# KiCad board 4in1-panel.kicad_pcb (continued)
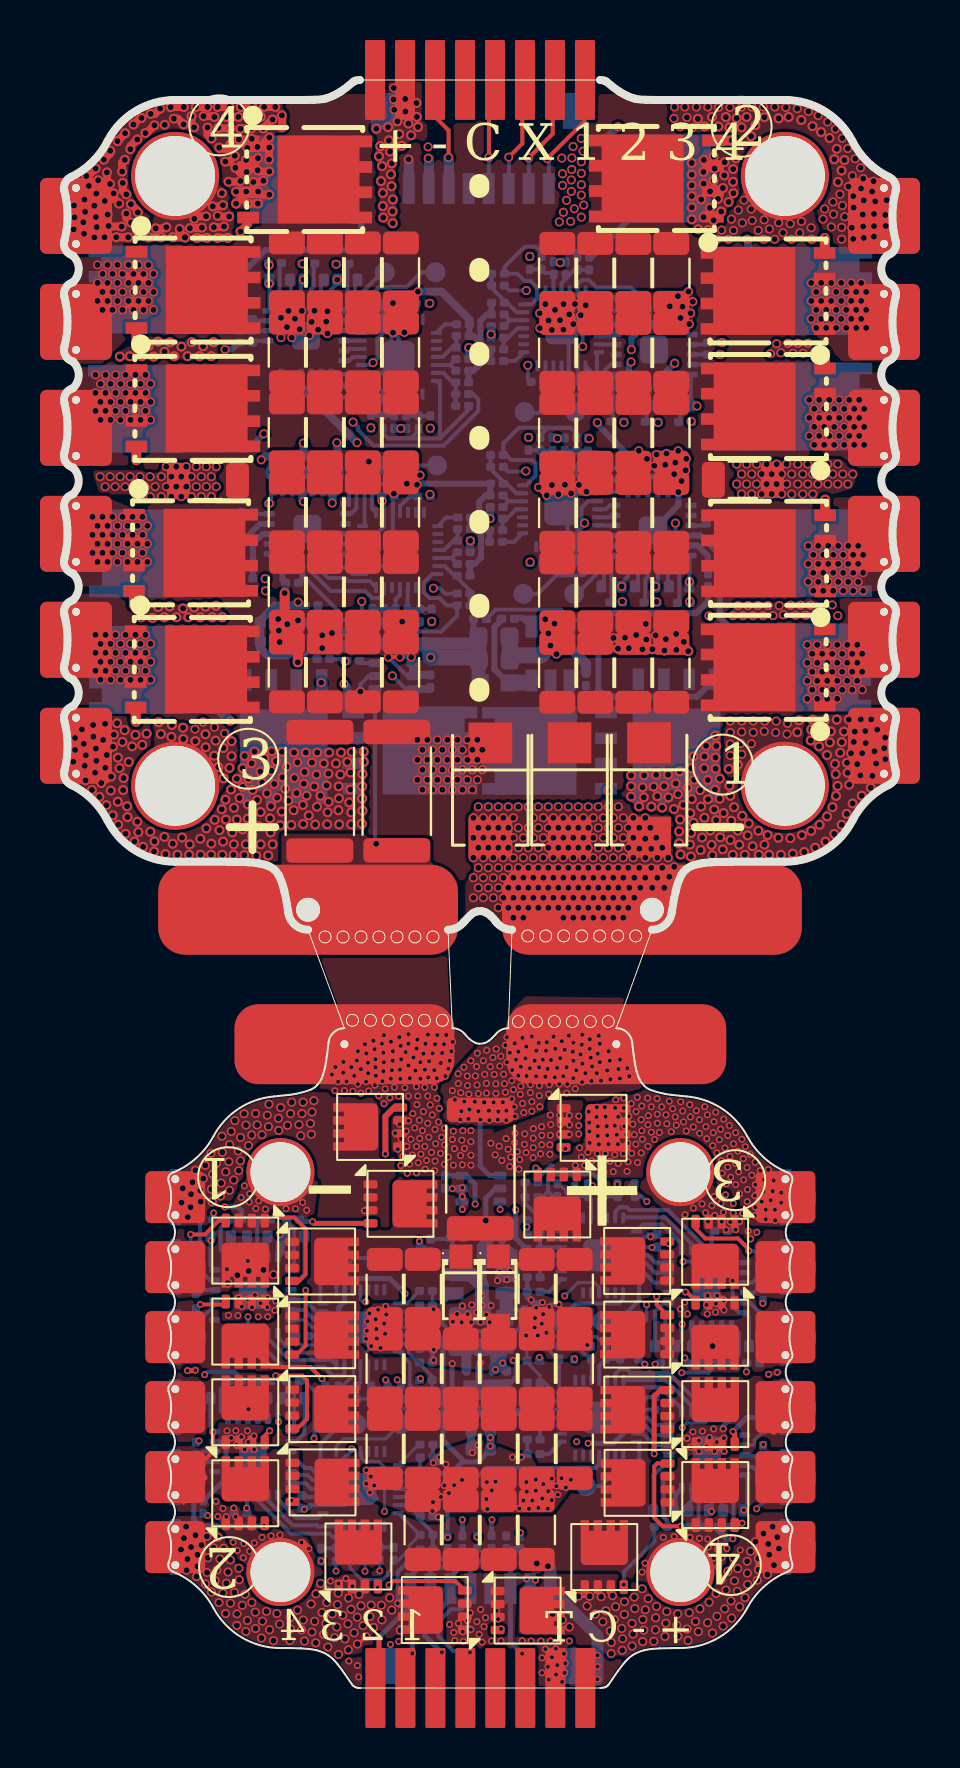
[diagram p0: board, top side]
## Placement (name value [footprint] x y rotation side) (continued)
U2#2  AT32F421G8U7  [QFN-28_L4.0-W4.0-P0.40-TL-EP2.4#2]  24.81 58.96 0 bottom
U3  ~  [4in1ESC30x30]  20.36 60.52 0 top
U3#2  NSG2065Q  [QFN-24_L4.0-W4.0-P0.50-TL-EP2.8#5]  9.43 19.66 90 bottom
U4  ~  [4in1ESC]  20.81 15.8 180 top
U4#2  NSG2065Q  [QFN-24_L4.0-W4.0-P0.50-TL-EP2.8#2]  29.44 57.89 270 bottom
U5  AT32F421G8U7  [QFN-28_L4.0-W4.0-P0.40-TL-EP2.4#2]  24.87 68.01 0 bottom
U5#2  FTC160808S4R7MBCA  [IND-SMD_L1.6-W0.8_FTC160865SR47MBCA]  22.04 17.82 90 bottom
U6  NSG2065Q  [QFN-24_L4.0-W4.0-P0.50-TL-EP2.8#3]  29.5 66.94 270 bottom
U6#2  AT32F421G8U7  [QFN-28_L4.0-W4.0-P0.40-TL-EP2.4#5]  14.81 9.95 180 bottom
U7  NSG2065Q  [QFN-24_L4.0-W4.0-P0.50-TL-EP2.8]  9.43 11.57 90 bottom
U7#2  AT32F421G8U7  [QFN-28_L4.0-W4.0-P0.40-TL-EP2.4#2]  16.79 56.92 180 bottom
U8  NSG2065Q  [QFN-24_L4.0-W4.0-P0.50-TL-EP2.8#2]  12.16 57.98 90 bottom
U8#2  AT32F421G8U7  [QFN-28_L4.0-W4.0-P0.40-TL-EP2.4#3]  26.75 21.64 0 bottom
U9  NSG2065Q  [QFN-24_L4.0-W4.0-P0.50-TL-EP2.8#2]  32.13 20.02 270 bottom
U9#2  AT32F421G8U7  [QFN-28_L4.0-W4.0-P0.40-TL-EP2.4#5]  16.72 66.57 180 bottom
U10  NSG2065Q  [QFN-24_L4.0-W4.0-P0.50-TL-EP2.8#4]  12.09 67.63 90 bottom
U10#2  AT32F421G8U7  [QFN-28_L4.0-W4.0-P0.40-TL-EP2.4#4]  26.76 13.52 0 bottom
U11  NSG2065Q  [QFN-24_L4.0-W4.0-P0.50-TL-EP2.8]  32.13 11.9 270 bottom
U12  INA186A3IDCKR  [SOT-363_SC-70-6]  16.49 50.6 180 bottom
U12#2  INA186A3IDCKR  [SOT-363_SC-70-6]  20.84 24.98 0 bottom
U13  LMR54406DBVR  [SOT-23-6_L2.9-W1.6-P0.95-LS2.8-BR]  24.32 51.74 90 bottom
U13#2  LMR54406DBVR  [SOT-23-6_L2.9-W1.6-P0.95-LS2.8-BR]  20.77 20.69 180 bottom
U14  FTC160808S4R7MBCA  [IND-SMD_L1.6-W0.8_FTC160865SR47MBCA]  21.53 50.27 0 bottom
U15  TLV76733DRVR  [WSON-6_L2.0-W2.0-P0.65-TL-EP]  12.66 52.76 0 bottom

## Library data of the parts
C1 C42 = -: Datasheet: X5R 6.3V; Description: Unpolarized capacitor; KiLib_Generator: C105226; LCSC: C105226; ki_fp_filters: C_*
C2 C3 C6 C6#2 C6#3 C7-C9 C13-C20 C24-C31 C43-C45 C69-C72 C79 C80 C82-C85 C87 C88 C95-C101 C105-C108 = -: Datasheet: X5R 50V; Description: Unpolarized capacitor; KiLib_Generator: SMD_2terminal_chip_molded; LCSC: C380366; ki_fp_filters: C_*
C4 C51 = -: Datasheet: X5R 6.3V; Description: Unpolarized capacitor; KiLib_Generator: SMD_2terminal_chip_molded; LCSC: C105226; ki_fp_filters: C_*
C32 C32#2 C33 C33#2 C34 C34#2 C35 C35#2 C36 C36#2 C37 C37#2 C38 C38#2 C39 C39#2 C53 C53#2 C56 C59 C62 C67 C73 C83#2 = -: Datasheet: https://item.szlcsc.com/360022.html; KiLib_Generator: SMD_2terminal_chip_molded; LCSC: C307331
C43#2 C86#2 = -: Datasheet: X5R 16v; Description: Unpolarized capacitor; KiLib_Generator: C2762594; LCSC: C2762594; ki_fp_filters: C_*
C44#2 C45#2 C46 C48 C48#2 C49 C49#2 C50 C50#2 C52 C54 C55 C57 C57#2 C58 C59#2 C60 C61 C63 C63#2 C64 C64#2 C65 C65#2 C66 C66#2 C68 C69#2 C70#2 C71#2 C72#2 C74-C78 C79#2 C80#2 C81 C88#2 C93 C93#2 C94 C94#2 = -: Datasheet: https://item.szlcsc.com/360022.html; KiLib_Generator: SMD_2terminal_chip_molded; LCSC: C181043
C47 C86 = -: Datasheet: X5R 16v; Description: Unpolarized capacitor; KiLib_Generator: SMD_2terminal_chip_molded; LCSC: C2762594; ki_fp_filters: C_*
CL32-CL36 CL38-CL40 CL42-CL51 CL54 CL55 = -: Datasheet: X7R 50V; Description: Unpolarized capacitor; KiLib_Generator: SMD_2terminal_chip_molded; LCSC: C380366; ki_fp_filters: C_*
D1 D2 = -: Datasheet: https://www.lcsc.com/datasheet/C1977154.pdf; LCSC Part: C1977154; Manufacturer: Littelfuse(美国力特)
D1#2 D2#2 D3 = -: LCSC Part: C19077578
J1 J1#2 = -: Datasheet: https://www.jst-mfg.com/product/pdf/eng/eSR.pdf; Description: JST SH series 8-pin 1.0mm pitch SMD connector, Betaflight standard; LCSC: C160407
Q1-Q6 Q7#2 Q8 Q9#2 Q10-Q12 Q13#2 Q14-Q16 Q17#2 Q18 Q19 Q20#2 Q21-Q24 = -: Description: -55℃~+150℃ 1.5V@250uA 1.675nF 2.9mΩ@10V 26nC@20V 31pF 395pF 40V 55W 75A N-Channel PDFN-8L(3x3) MOSFETs ROHS; LCSC: C49441966
Q1#2 Q2#2 Q3#2 Q4#2 Q5#2 Q6#2 Q7 Q8#2 Q9 Q10#2 Q11#2 Q12#2 Q13 Q14#2 Q15#2 Q16#2 Q17 Q18#2 Q19#2 Q20 Q21#2 Q22#2 Q23#2 Q24#2 = -: Description: -55℃~+150℃ 1.5V@250uA 1.675nF 2.9mΩ@10V 26nC@20V 31pF 395pF 40V 55W 75A N-Channel PDFN-8L(3x3) MOSFETs ROHS; LCSC: SP40N01GHNK
R1 R2 R6-R9 R16 R17 R21#2 R22 R23 R23#2 R24 R24#2 R37 R37#2 R38 R38#2 R42 R42#2 R43 R43#2 R44 R44#2 R45 R45#2 R55 R55#2 R56 R56#2 R60 R60#2 R61 R61#2 R62 R62#2 R63 R63#2 R74#2 R75-R83 = -: Description: SMD 0402 Chip Resistor, European Symbol, Alternate KiCad Library; KiLib_Generator: SMD_2terminal_chip_molded; LCSC: C473542; ki_fp_filters: R_*
R3 R4 R10 R10#2 R12 R12#2 R13 R13#2 R15 R15#2 R18 R18#2 R19 R19#2 R21 R22#2 R25 R25#2 R27 R27#2 R28 R28#2 R30 R30#2 R31 R31#2 R33 R33#2 R34 R34#2 R36 R36#2 R39#2 R40 R40#2 R41 R46 R46#2 R48 R48#2 R49 R49#2 R51 R51#2 R52 R52#2 R54 R54#2 R57 R58 R58#2 R59 R64 R64#2 R66 R66#2 R67 R67#2 R69 R69#2 R70 R70#2 R72 R72#2 = -: Datasheet: https://item.szlcsc.com/239136.html; KiLib_Generator: SMD_2terminal_chip_molded; LCSC: C106225
R5 R20#2 R41#2 R59#2 = -: Datasheet: https://item.szlcsc.com/239136.html; KiLib_Generator: C226468; LCSC: C226468
R11 R11#2 R14 R14#2 R26 R26#2 R29 R29#2 R32 R32#2 R35 R35#2 R47 R47#2 R50 R50#2 R53 R53#2 R65 R65#2 R68 R68#2 R71 R71#2 R73#2 = -: Datasheet: https://item.szlcsc.com/239136.html; KiLib_Generator: SMD_2terminal_chip_molded; LCSC: C270365
R20 R39 R57#2 R87 = -: Datasheet: https://item.szlcsc.com/239136.html; KiLib_Generator: SMD_2terminal_chip_molded; LCSC: C226468
R73 = -: Datasheet: https://item.szlcsc.com/239136.html; LCSC: C270365
R74 R75#2 R76#2 R77#2 R84-R86 R88 = -: Description: Resistor; KiLib_Generator: SMD_2terminal_chip_molded; LCSC: C106226; ki_fp_filters: R_*
R118 R121 = -: Description: Resistor; LCSC: C106225; ki_fp_filters: R_*
R119 R120 = -: Description: Resistor; KiLib_Generator: SMD_2terminal_chip_molded; LCSC: C166378; ki_fp_filters: R_*
Rsense1 Rsense1#2 Rsense2 = -: Description: shunt; KiLib_Generator: SMD_2terminal_chip_molded; LCSC: C695806; ki_fp_filters: R_*
TP1 TP1#2 TP2 TP2#2 TP3 TP3#2 TP4 TP4#2 TP5 TP5#2 TP6 TP6#2 TP7 TP7#2 TP8 TP8#2 = -: Description: test point; ki_fp_filters: Pin* Test*
U1 U15 = -: LCSC: C2848334
U2 U2#2 U5 U6#2 U7#2 U8#2 U9#2 U10#2 = -: Datasheet: https://item.szlcsc.com/2794672.html; LCSC: C2765098
U3#2 U4#2 U6-U11 = -: Datasheet: https://atta.szlcsc.com/upload/public/pdf/source/20230606/9108084F8D3399931DD16D047B315AD0.pdf; LCSC: C41414478
U5#2 U14 = -: Datasheet: https://atta.szlcsc.com/upload/public/pdf/source/20230602/8FFEDA9C0247A92A0D4B67554BFE4091.pdf; Description: 4.7uH; LCSC: C46594347
U12 U12#2 = -: Datasheet: https://www.ti.com/lit/ds/symlink/ina186.pdf; Description: INA186 36V, Low-Power, Precision, Voltage-Output Current Sense Amplifier, 100V/V gain; LCSC: C2058245
U13 U13#2 = -: Datasheet: https://www.lcsc.com/datasheet/C5219316.pdf; LCSC Part: C5219316; Manufacturer: TI(德州仪器)

## Footprints (pads in the part's own frame, mm; a bottom-side part is the same pattern mirrored in y, then rotated)
4in1ESC
  rrect 11x4 hole 0.4: 1(-6.8,-16.4) 2(6.8,-16.4)
  rrect 1x4 smd: 3(-5.25,15.8) 4(-3.75,15.8) 5(-2.25,15.8) 6(-0.75,15.8) 7(0.75,15.8) 8(2.25,15.8) 9(3.75,15.8) 10(5.25,15.8)
  round 3.4 hole 3: 11(-10,10) 11(-10,-10) 11(10,10) 11(10,-10)
  rrect 3x1.8 hole 0.4: 12(-15.261,7.85) 12(-15.261,9.65) 13(-15.261,6.15) 13(-15.261,4.35) 14(-15.261,0.85) 14(-15.261,2.65) 15(-15.261,-0.85) 15(-15.261,-2.65) 16(-15.261,-6.15) 16(-15.261,-4.35) 17(-15.261,-9.65) 17(-15.261,-7.85) 18(15.261,9.65) 18(15.261,7.85) 19(15.261,6.15) 19(15.261,4.35) 20(15.261,2.65) 20(15.261,0.85) 21(15.261,-0.85) 21(15.261,-2.65) 22(15.261,-4.35) 22(15.261,-6.15) 23(15.261,-7.85) 23(15.261,-9.65)
4in1ESC30x30
  rrect 15x4.5 hole 1.2: 1(-8.167,-21.6) 2(9.033,-21.6)
  rrect 1x4 smd: 3(-4.817,19.9) 4(-3.317,19.9) 5(-1.817,19.9) 6(-0.317,19.9) 7(1.183,19.9) 8(2.683,19.9) 9(4.183,19.9) 10(5.683,19.9)
  round 4.4 hole 4: 11(-14.817,15.1) 11(-14.817,-15.4) 11(15.683,15.1) 11(15.683,-15.4)
  rrect 3.6x2.2 hole 0.4: 12(-19.778,11.7) 12(-19.778,14.5) 13(-19.778,9.2) 13(-19.778,6.4) 14(-19.778,3.9) 14(-19.778,1.1) 15(-19.778,-1.4) 15(-19.778,-4.2) 16(-19.778,-6.7) 16(-19.778,-9.5) 17(-19.778,-12) 17(-19.778,-14.8) 18(20.643,14.5) 18(20.643,11.7) 19(20.643,9.2) 19(20.643,6.4) 20(20.643,3.9) 20(20.643,1.1) 21(20.643,-1.4) 21(20.643,-4.2) 22(20.643,-6.7) 22(20.643,-9.5) 23(20.643,-12) 23(20.643,-14.8)
C_0201_0603Metric
  rrect 0.318x0.36 smd: (-0.345,0) (0.345,0)
  rrect 0.46x0.4 smd: 1(-0.32,0) 2(0.32,0)
C_0402_1005Metric
  rrect 0.56x0.62 smd: 1(-0.48,0) 2(0.48,0)
C_0402_WIDE
  rrect 0.5x0.62 smd: 1(-0.51,0) 2(0.51,0)
C_0603_1608Metric
  rrect 0.9x0.95 smd: 1(-0.775,0) 2(0.775,0)
C_1206_3216Metric
  rrect 1.15x1.8 smd: 1(-1.475,0) 2(1.475,0)
Diodes_PowerDI3333-8
  rrect 0.6x1 smd: (0.02,0.565) (0.02,-0.565) (0.73,0.565) (0.73,-0.565)
  rrect 0.7x0.42 smd: (1.5,0.975) (1.5,0.325) (1.5,-0.325) (1.5,-0.975) 1(-1.5,0.975) 1(-1.5,0.325) 1(-1.5,-0.325) 2(-1.5,-0.975)
  custom 2.25x2.37 smd: 3(0.455,0)
IND-SMD_L1.6-W0.8_FTC160865SR47MBCA
  rect 0.8x0.864 smd: 1(0.7,0) 2(-0.7,0)
JST_SM08B-SRSS-TB
  rect 0.6x1.55 smd: 1(-3.5,4.775) 2(-2.5,4.775) 3(-1.5,4.775) 4(-0.5,4.775) 5(0.5,4.775) 6(1.5,4.775) 7(2.5,4.775) 8(3.5,4.775)
  rect 1.2x1.8 smd: P1(-4.8,0.9) P2(4.8,0.9)
PDFN-8L_L6.0-W5.0-P1.27
  rect 0.58x1.08 smd: 1(-1.91,-2.83) 1(-0.63,-2.83) 1(0.63,-2.83) 2(1.9,-2.83) 3(-1.9,2.83) 3(-0.63,2.83) 3(0.64,2.83) 3(1.9,2.83)
  rect 4.4x4.1 smd: 3(0,0.69)
QFN-24_L4.0-W4.0-P0.50-TL-EP2.8
  rrect 0.55x0.28 smd: 1(-1.92,1.25) 2(-1.92,0.75) 3(-1.92,0.25) 4(-1.92,-0.25) 5(-1.92,-0.75) 6(-1.92,-1.25) 13(1.9,-1.25) 14(1.9,-0.75) 15(1.9,-0.25) 16(1.9,0.25) 17(1.9,0.75) 18(1.9,1.25)
  rrect 0.28x0.55 smd: 8(-0.75,-1.91) 9(-0.25,-1.91) 10(0.25,-1.91) 11(0.75,-1.91) 12(1.25,-1.91) 19(1.25,1.9) 20(0.75,1.9) 21(0.25,1.9) 22(-0.25,1.9) 23(-0.75,1.9) 24(-1.25,1.9)
  rrect 1.4x1.4 smd: 25(0,0)
QFN-24_L4.0-W4.0-P0.50-TL-EP2.8#2
  rrect 0.55x0.28 smd: 1(-1.92,1.25) 2(-1.92,0.75) 3(-1.92,0.25) 4(-1.92,-0.25) 5(-1.92,-0.75) 6(-1.92,-1.25) 13(1.9,-1.25) 14(1.9,-0.75) 15(1.9,-0.25) 16(1.9,0.25) 17(1.9,0.75) 18(1.9,1.25)
  rrect 0.28x0.55 smd: 7(-1.25,-1.91) 8(-0.75,-1.91) 9(-0.25,-1.91) 10(0.25,-1.91) 11(0.75,-1.91) 12(1.25,-1.91) 19(1.25,1.9) 20(0.75,1.9) 21(0.25,1.9) 22(-0.25,1.9) 23(-0.75,1.9) 24(-1.25,1.9)
  rrect 1.4x1.4 smd: 25(0,0)
QFN-24_L4.0-W4.0-P0.50-TL-EP2.8#3
  rrect 0.55x0.28 smd: 1(-1.92,1.25) 2(-1.92,0.75) 3(-1.92,0.25) 4(-1.92,-0.25) 6(-1.92,-1.25) 13(1.9,-1.25) 14(1.9,-0.75) 15(1.9,-0.25) 16(1.9,0.25) 17(1.9,0.75) 18(1.9,1.25)
  rrect 0.28x0.55 smd: 8(-0.75,-1.91) 9(-0.25,-1.91) 10(0.25,-1.91) 11(0.75,-1.91) 12(1.25,-1.91) 19(1.25,1.9) 20(0.75,1.9) 21(0.25,1.9) 22(-0.25,1.9) 23(-0.75,1.9) 24(-1.25,1.9)
  rrect 1.4x1.4 smd: 25(0,0)
QFN-24_L4.0-W4.0-P0.50-TL-EP2.8#4
  rrect 0.55x0.28 smd: 1(-1.92,1.25) 2(-1.92,0.75) 3(-1.92,0.25) 4(-1.92,-0.25) 6(-1.92,-1.25) 13(1.9,-1.25) 14(1.9,-0.75) 15(1.9,-0.25) 16(1.9,0.25) 17(1.9,0.75) 18(1.9,1.25)
  rrect 0.28x0.55 smd: 9(-0.25,-1.91) 10(0.25,-1.91) 11(0.75,-1.91) 12(1.25,-1.91) 19(1.25,1.9) 20(0.75,1.9) 21(0.25,1.9) 22(-0.25,1.9) 23(-0.75,1.9) 24(-1.25,1.9)
  rrect 1.4x1.4 smd: 25(0,0)
QFN-24_L4.0-W4.0-P0.50-TL-EP2.8#5
  rrect 0.55x0.28 smd: 1(-1.92,1.25) 2(-1.92,0.75) 3(-1.92,0.25) 4(-1.92,-0.25) 5(-1.92,-0.75) 6(-1.92,-1.25) 13(1.9,-1.25) 14(1.9,-0.75) 15(1.9,-0.25) 16(1.9,0.25) 17(1.9,0.75) 18(1.9,1.25)
  rrect 0.28x0.55 smd: 7(-1.25,-1.91) 9(-0.25,-1.91) 10(0.25,-1.91) 11(0.75,-1.91) 12(1.25,-1.91) 19(1.25,1.9) 20(0.75,1.9) 21(0.25,1.9) 22(-0.25,1.9) 23(-0.75,1.9) 24(-1.25,1.9)
  rrect 1.4x1.4 smd: 25(0,0)
QFN-28_L4.0-W4.0-P0.40-TL-EP2.4
  rrect 0.55x0.2 smd: 1(-1.89,1.2) 2(-1.89,0.8) 3(-1.89,0.4) 4(-1.89,0.001) 5(-1.89,-0.4) 6(-1.89,-0.8) 7(-1.89,-1.2) 15(1.87,-1.2) 16(1.87,-0.8) 17(1.87,-0.4) 18(1.87,0) 19(1.87,0.4) 20(1.87,0.8) 21(1.87,1.2)
  rrect 0.2x0.55 smd: 8(-1.2,-1.87) 9(-0.8,-1.87) 10(-0.4,-1.87) 11(0,-1.87) 13(0.8,-1.87) 14(1.2,-1.87) 22(1.2,1.88) 24(0.4,1.88) 25(0,1.88) 26(-0.4,1.88) 27(-0.8,1.88) 28(-1.2,1.88)
  rrect 1.6x1.6 smd: 29(0,0)
QFN-28_L4.0-W4.0-P0.40-TL-EP2.4#2
  rrect 0.55x0.2 smd: 1(-1.89,1.2) 2(-1.89,0.8) 3(-1.89,0.4) 4(-1.89,0.001) 5(-1.89,-0.4) 6(-1.89,-0.8) 7(-1.89,-1.2) 15(1.87,-1.2) 16(1.87,-0.8) 17(1.87,-0.4) 18(1.87,0) 19(1.87,0.4) 20(1.87,0.8) 21(1.87,1.2)
  rrect 0.2x0.55 smd: 9(-0.8,-1.87) 10(-0.4,-1.87) 11(0,-1.87) 12(0.4,-1.87) 13(0.8,-1.87) 14(1.2,-1.87) 22(1.2,1.88) 25(0,1.88) 26(-0.4,1.88) 27(-0.8,1.88) 28(-1.2,1.88)
  rrect 1.6x1.6 smd: 29(0,0)
QFN-28_L4.0-W4.0-P0.40-TL-EP2.4#3
  rrect 0.55x0.2 smd: 1(-1.89,1.2) 2(-1.89,0.8) 3(-1.89,0.4) 4(-1.89,0.001) 5(-1.89,-0.4) 6(-1.89,-0.8) 7(-1.89,-1.2) 15(1.87,-1.2) 16(1.87,-0.8) 17(1.87,-0.4) 18(1.87,0) 19(1.87,0.4) 20(1.87,0.8) 21(1.87,1.2)
  rrect 0.2x0.55 smd: 8(-1.2,-1.87) 9(-0.8,-1.87) 10(-0.4,-1.87) 11(0,-1.87) 12(0.4,-1.87) 13(0.8,-1.87) 14(1.2,-1.87) 22(1.2,1.88) 23(0.8,1.88) 24(0.4,1.88) 25(0,1.88) 26(-0.4,1.88) 27(-0.8,1.88)
  rrect 1.6x1.6 smd: 29(0,0)
QFN-28_L4.0-W4.0-P0.40-TL-EP2.4#4
  rrect 0.55x0.2 smd: 1(-1.89,1.2) 2(-1.89,0.8) 3(-1.89,0.4) 4(-1.89,0.001) 5(-1.89,-0.4) 6(-1.89,-0.8) 7(-1.89,-1.2) 15(1.87,-1.2) 16(1.87,-0.8) 17(1.87,-0.4) 18(1.87,0) 19(1.87,0.4) 20(1.87,0.8) 21(1.87,1.2)
  rrect 0.2x0.55 smd: 8(-1.2,-1.87) 9(-0.8,-1.87) 10(-0.4,-1.87) 11(0,-1.87) 12(0.4,-1.87) 13(0.8,-1.87) 14(1.2,-1.87) 22(1.2,1.88) 23(0.8,1.88) 24(0.4,1.88) 25(0,1.88) 26(-0.4,1.88) 27(-0.8,1.88) 28(-1.2,1.88)
  rrect 1.6x1.6 smd: 29(0,0)
QFN-28_L4.0-W4.0-P0.40-TL-EP2.4#5
  rrect 0.55x0.2 smd: 1(-1.89,1.2) 2(-1.89,0.8) 3(-1.89,0.4) 4(-1.89,0.001) 5(-1.89,-0.4) 6(-1.89,-0.8) 7(-1.89,-1.2) 15(1.87,-1.2) 16(1.87,-0.8) 17(1.87,-0.4) 18(1.87,0) 19(1.87,0.4) 20(1.87,0.8) 21(1.87,1.2)
  rrect 0.2x0.55 smd: 8(-1.2,-1.87) 9(-0.8,-1.87) 10(-0.4,-1.87) 11(0,-1.87) 12(0.4,-1.87) 13(0.8,-1.87) 14(1.2,-1.87) 22(1.2,1.88) 25(0,1.88) 26(-0.4,1.88) 27(-0.8,1.88) 28(-1.2,1.88)
  rrect 1.6x1.6 smd: 29(0,0)
R_0201_0603Metric
  rrect 0.318x0.36 smd: (-0.345,0) (0.345,0)
  rrect 0.46x0.4 smd: 1(-0.32,0) 2(0.32,0)
R_2512_6332Metric
  rrect 1.225x3.35 smd: 1(-2.962,0) 2(2.962,0)
SMB_L4.5-W3.7-LS5.4-RD
  rect 2.05x2.19 smd: 1(-2.36,0) 2(2.36,0)
SOD-123FL_L2.7-W1.8-LS3.7-RD
  rect 1.2x1.15 smd: 1(-1.73,0) 2(1.73,0)
SOT-23-6_L2.9-W1.6-P0.95-LS2.8-BR
  rect 1.1x0.6 smd: 1(1.35,-0.95) 2(1.35,0) 3(1.35,0.95) 4(-1.35,0.95) 5(-1.35,0) 6(-1.35,-0.95)
SOT-363_SC-70-6
  rrect 0.65x0.4 smd: 1(-0.95,0.65) 2(-0.95,0) 3(-0.95,-0.65) 4(0.95,-0.65) 5(0.95,0) 6(0.95,0.65)
TestPoint_Pad_D1.0mm
  round 1 smd: 1(0,0)
WSON-6_L2.0-W2.0-P0.65-TL-EP
  oval 0.61x0.36 smd: 1(-1.03,0.65) 2(-1.03,0) 3(-1.03,-0.65) 4(1.03,-0.65) 5(1.03,0) 6(1.03,0.65)
  rect 1x1.6 smd: 7(0,0)

## Nets
+3V3: C1.2 C4.2 C42.2 C45#2.1 C49.1 C49#2.1 C51.2 C55.1 C61.1 C65.1 C66#2.1 C71#2.1 C79#2.1 C81.1 C93.1 C93#2.1 R3.2 R18.2 R18#2.2 R21.2 R39#2.2 R40.2 R57.2 R58#2.2 R74.2 R75#2.2 R76#2.2 R77#2.2 R84.2 R85.2 R86.2 R88.2 U1.1 U1.2 U2.17 U2#2.17 U5.17 U6#2.17 U7#2.17 U8#2.17 U9#2.17 U10#2.17 U12.3 U12#2.3 U15.1 U15.2
+10V: C43#2.1 C47.1 C57.1 C57#2.1 C58.1 C63.1 C63#2.1 C68.1 C70#2.1 C76.1 C77.1 C86.1 C86#2.1 C88#2.1 R119.1 R120.1 U1.4 U1.6 U3#2.4 U4#2.4 U5#2.2 U6.4 U7.4 U8.4 U9.4 U10.4 U11.4 U14.2 U15.4 U15.6
/ESC1/vdda: C48.1 C48#2.1 R74.1 R84.1 U2.5 U2#2.5
/ESC2/vdda: C44#2.1 C54.1 R75#2.1 R85.1 U5.5 U6#2.5
/ESC3/vdda: C60.1 C64.1 R76#2.1 R86.1 U7#2.5 U8#2.5
/ESC4/vdda: C65#2.1 C78.1 R77#2.1 R88.1 U9#2.5 U10#2.5
GND: C1.1 C2.2 C3.2 C4.1 C6.2 C6#2.2 C6#3.2 C7.2 C8.2 C9.2 C13.2 C14.2 C15.2 C16.2 C17.2 C18.2 C19.2 C20.2 C24.2 C25.2 C26.2 C27.2 C28.2 C29.2 C30.2 C31.2 C42.1 C43.2 C43#2.2 C44.2 C44#2.2 C45.2 C45#2.2 C46.2 C47.2 C48.2 C48#2.2 C49.2 C49#2.2 C50.2 C50#2.2 C51.1 C52.2 C54.2 C55.2 C57.2 C57#2.2 C58.2 C59#2.2 C60.2 C61.2 C63.2 C63#2.2 C64.2 C64#2.2 C65.2 C65#2.2 C66.2 C66#2.2 C68.2 C69.2 C69#2.2 C70.2 C70#2.2 C71.2 C71#2.2 C72.2 C74.2 C76.2 C77.2 C78.2 C79.2 C79#2.2 C80.2 C80#2.2 C81.2 C82.2 C83.2 C84.2 C85.2 C86.2 C86#2.2 C87.2 C88.2 C88#2.2 C93.2 C93#2.2 C94.2 C94#2.2 C95.2 C96.2 C97.2 C98.2 C99.2 C100.2 C101.2 C105.2 C106.2 C107.2 C108.2 CL32.2 CL33.2 CL34.2 CL35.2 CL36.2 CL38.2 CL39.2 CL40.2 CL42.2 CL43.2 CL44.2 CL45.2 CL46.2 CL47.2 CL48.2 CL49.2 CL50.2 CL51.2 CL54.2 CL55.2 D1.2 D1#2.2 D2.2 D2#2.2 D3.2 J1.2 J1.P1 J1.P2 J1#2.2 J1#2.P1 J1#2.P2 Q2.1 Q2#2.1 Q3#2.1 Q4.1 Q4#2.1 Q5#2.1 Q6.1 Q8.1 Q10.1 Q11#2.1 Q12.1 Q12#2.1 Q14.1 Q14#2.1 Q15#2.1 Q16.1 Q18.1 Q20#2.1 Q21#2.1 Q22.1 Q22#2.1 Q23#2.1 Q24.1 Q24#2.1 R4.2 R11.1 R11#2.1 R14.1 R14#2.1 R19.2 R19#2.2 R22#2.2 R26.1 R26#2.1 R29.1 R29#2.1 R32.1 R32#2.1 R35.1 R35#2.1 R40#2.2 R41.2 R47.1 R47#2.1 R50.1 R50#2.1 R53.1 R53#2.1 R58.2 R59.2 R65.1 R65#2.1 R68.1 R68#2.1 R71.1 R71#2.1 R118.2 R121.2 U1.3 U1.5 U1.7 U2.16 U2.29 U2#2.16 U2#2.29 U3.2 U3.4 U3.11 U3#2.6 U3#2.25 U4.2 U4.4 U4.11 U4#2.6 U4#2.25 U5.16 U5.29 U6.6 U6.25 U6#2.16 U6#2.29 U7.6 U7.25 U7#2.16 U7#2.29 U8.6 U8.25 U8#2.16 U8#2.29 U9.6 U9.25 U9#2.16 U9#2.29 U10.6 U10.25 U10#2.16 U10#2.29 U11.6 U11.25 U12.1 U12.2 U12#2.1 U12#2.2 U13.2 U13#2.2 U15.3 U15.5 U15.7
+BATT: C2.1 C3.1 C6.1 C6#2.1 C6#3.1 C7.1 C8.1 C9.1 C13.1 C14.1 C15.1 C16.1 C17.1 C18.1 C19.1 C20.1 C24.1 C25.1 C26.1 C27.1 C28.1 C29.1 C30.1 C31.1 C43.1 C44.1 C45.1 C69.1 C69#2.1 C70.1 C71.1 C72.1 C74.1 C79.1 C80.1 C82.1 C83.1 C84.1 C85.1 C87.1 C88.1 C95.1 C96.1 C97.1 C98.1 C99.1 C100.1 C101.1 C105.1 C106.1 C107.1 C108.1 CL32.1 CL33.1 CL34.1 CL35.1 CL36.1 CL38.1 CL39.1 CL40.1 CL42.1 CL43.1 CL44.1 CL45.1 CL46.1 CL47.1 CL48.1 CL49.1 CL50.1 CL51.1 CL54.1 CL55.1 D1.1 D1#2.1 D2.1 D2#2.1 D3.1 J1.1 J1#2.1 Q1.3 Q1#2.3 Q3.3 Q5.3 Q6#2.3 Q7.3 Q7#2.3 Q8#2.3 Q9.3 Q9#2.3 Q10#2.3 Q11.3 Q13.3 Q13#2.3 Q15.3 Q16#2.3 Q17.3 Q17#2.3 Q18#2.3 Q19.3 Q19#2.3 Q20.3 Q21.3 Q23.3 Rsense1.2 Rsense1#2.2 Rsense2.2 U3.3 U4.3 U12.5 U12#2.5 U13.4 U13.5 U13#2.4 U13#2.5
/CSA+: Rsense1.1 Rsense1#2.1 Rsense2.1 U3.1 U4.1 U12.4 U12#2.4
/CURR: C94.1 C94#2.1 J1.3 J1#2.3 R73.1 R73#2.1 U3.5 U4.5
/ESC1/AH: U2.20 U2#2.20 U3#2.22 U4#2.22
/ESC1/AL: U2.15 U2#2.15 U3#2.1 U4#2.1
/ESC1/BH: U2.19 U2#2.19 U3#2.23 U4#2.23
/ESC1/BL: U2.14 U2#2.14 U3#2.2 U4#2.2
/ESC1/CH: U2.18 U2#2.18 U3#2.24 U4#2.24
/ESC1/CL: U2.13 U2#2.13 U3#2.3 U4#2.3
/ESC1/FBA: R25.1 R25#2.1 R26.2 R26#2.2 R27.2 R27#2.2 U2.6 U2#2.6
/ESC1/FBB: R28.2 R28#2.2 R29.2 R29#2.2 R30.2 R30#2.2 U2.10 U2#2.10
/ESC1/FBC: R31.2 R31#2.2 R32.2 R32#2.2 R33.2 R33#2.2 U2.11 U2#2.11
/ESC1/FBCOMMON: R25.2 R25#2.2 R28.1 R28#2.1 R31.1 R31#2.1 U2.7 U2#2.7
/ESC1/GHA: R16.1 R76.1 U3#2.19 U4#2.19
/ESC1/GHB: R21#2.1 R55.1 U3#2.16 U4#2.16
/ESC1/GHC: R23.1 R23#2.1 U3#2.13 U4#2.13
/ESC1/GLA: R17.1 R80.1 U3#2.11 U4#2.11
/ESC1/GLB: R22.1 R62#2.1 U3#2.10 U4#2.10
/ESC1/GLC: R24.1 R42.1 U3#2.9 U4#2.9
/ESC1/MotorA: C53.1 C53#2.1 Q1.1 Q1#2.1 Q2.3 Q2#2.3 R27.1 R27#2.1 U3.23 U3#2.18 U4.23 U4#2.18
/ESC1/MotorB: C32.1 C32#2.1 Q3.1 Q4.3 Q6#2.1 Q11#2.3 R30.1 R30#2.1 U3.22 U3#2.15 U4.22 U4#2.15
/ESC1/MotorC: C36.1 C36#2.1 Q5.1 Q6.3 Q16#2.1 Q21#2.3 R33.1 R33#2.1 U3.21 U3#2.12 U4.21 U4#2.12
/ESC2/AH: U5.20 U6.22 U6#2.20 U7.22
/ESC2/AL: U5.15 U6.1 U6#2.15 U7.1
/ESC2/BH: U5.19 U6.23 U6#2.19 U7.23
/ESC2/BL: U5.14 U6.2 U6#2.14 U7.2
/ESC2/CH: U5.18 U6.24 U6#2.18 U7.24
/ESC2/CL: U5.13 U6.3 U6#2.13 U7.3
/ESC2/FBA: R10.1 R10#2.1 R11.2 R11#2.2 R12.2 R12#2.2 U5.6 U6#2.6
/ESC2/FBB: R13.2 R13#2.2 R14.2 R14#2.2 R15.2 R15#2.2 U5.10 U6#2.10
/ESC2/FBC: R34.2 R34#2.2 R35.2 R35#2.2 R36.2 R36#2.2 U5.11 U6#2.11
/ESC2/FBCOMMON: R10.2 R10#2.2 R13.1 R13#2.1 R34.1 R34#2.1 U5.7 U6#2.7
/ESC2/GHA: R1.1 R77.1 U6.19 U7.19
/ESC2/GHB: R6.1 R56#2.1 U6.16 U7.16
/ESC2/GHC: R8.1 R24#2.1 U6.13 U7.13
/ESC2/GLA: R2.1 R81.1 U6.11 U7.11
/ESC2/GLB: R7.1 R63.1 U6.10 U7.10
/ESC2/GLC: R9.1 R43.1 U6.9 U7.9
/ESC2/MotorA: C56.1 C59.1 Q3#2.3 Q7.1 Q7#2.1 Q8.3 R12.1 R12#2.1 U3.20 U4.18 U6.18 U7.18
/ESC2/MotorB: C33.1 C33#2.1 Q8#2.1 Q9#2.1 Q10.3 Q12#2.3 R15.1 R15#2.1 U3.19 U4.20 U6.15 U7.15
/ESC2/MotorC: C37.1 C37#2.1 Q11.1 Q12.3 Q17.1 Q22#2.3 R36.1 R36#2.1 U3.18 U4.19 U6.12 U7.12
/ESC3/AH: U7#2.20 U8.22 U8#2.20 U9.22
/ESC3/AL: U7#2.15 U8.1 U8#2.15 U9.1
/ESC3/BH: U7#2.19 U8.23 U8#2.19 U9.23
/ESC3/BL: U7#2.14 U8.2 U8#2.14 U9.2
/ESC3/CH: U7#2.18 U8.24 U8#2.18 U9.24
/ESC3/CL: U7#2.13 U8.3 U8#2.13 U9.3
/ESC3/FBA: R46.1 R46#2.1 R47.2 R47#2.2 R48.2 R48#2.2 U7#2.6 U8#2.6
/ESC3/FBB: R49.2 R49#2.2 R50.2 R50#2.2 R51.2 R51#2.2 U7#2.10 U8#2.10
/ESC3/FBC: R52.2 R52#2.2 R53.2 R53#2.2 R54.2 R54#2.2 U7#2.11 U8#2.11
/ESC3/FBCOMMON: R46.2 R46#2.2 R49.1 R49#2.1 R52.1 R52#2.1 U7#2.7 U8#2.7
/ESC3/GHA: R37.1 R78.1 U8.19 U9.19
/ESC3/GHB: R42#2.1 R60#2.1 U8.16 U9.16
/ESC3/GHC: R37#2.1 R44.1 U8.13 U9.13
/ESC3/GLA: R38#2.1 R82.1 U8.11 U9.11
/ESC3/GLB: R43#2.1 R74#2.1 U8.10 U9.10
/ESC3/GLC: R44#2.1 R45#2.1 U8.9 U9.9
/ESC3/MotorA: C62.1 C73.1 Q4#2.3 Q13.1 Q13#2.1 Q14.3 R48.1 R48#2.1 U3.15 U4.17 U8.18 U9.18
/ESC3/MotorB: C34.1 C34#2.1 Q9.1 Q14#2.3 Q15.1 Q16.3 R51.1 R51#2.1 U3.16 U4.15 U8.15 U9.15
/ESC3/MotorC: C38.1 C38#2.1 Q17#2.1 Q18.3 Q18#2.1 Q23#2.3 R54.1 R54#2.1 U3.17 U4.16 U8.12 U9.12
/ESC4/AH: U9#2.20 U10.22 U10#2.20 U11.22
/ESC4/AL: U9#2.15 U10.1 U10#2.15 U11.1
/ESC4/BH: U9#2.19 U10.23 U10#2.19 U11.23
/ESC4/BL: U9#2.14 U10.2 U10#2.14 U11.2
/ESC4/CH: U9#2.18 U10.24 U10#2.18 U11.24
/ESC4/CL: U9#2.13 U10.3 U10#2.13 U11.3
/ESC4/FBA: R64.1 R64#2.1 R65.2 R65#2.2 R66.2 R66#2.2 U9#2.6 U10#2.6
/ESC4/FBB: R67.2 R67#2.2 R68.2 R68#2.2 R69.2 R69#2.2 U9#2.10 U10#2.10
/ESC4/FBC: R70.2 R70#2.2 R71.2 R71#2.2 R72.2 R72#2.2 U9#2.11 U10#2.11
/ESC4/FBCOMMON: R64.2 R64#2.2 R67.1 R67#2.1 R70.1 R70#2.1 U9#2.7 U10#2.7
/ESC4/GHA: R55#2.1 R79.1 U10.19 U11.19
/ESC4/GHB: R60.1 R61#2.1 U10.16 U11.16
/ESC4/GHC: R38.1 R62.1 U10.13 U11.13
/ESC4/GLA: R56.1 R83.1 U10.11 U11.11
/ESC4/GLB: R61.1 R75.1 U10.10 U11.10
/ESC4/GLC: R45.1 R63#2.1 U10.9 U11.9
/ESC4/MotorA: C67.1 C83#2.1 Q5#2.3 Q19.1 Q19#2.1 Q20#2.3 R66.1 R66#2.1 U3.12 U4.12 U10.18 U11.18
/ESC4/MotorB: C35.1 C35#2.1 Q10#2.1 Q15#2.3 Q21.1 Q22.3 R69.1 R69#2.1 U3.13 U4.13 U10.15 U11.15
/ESC4/MotorC: C39.1 C39#2.1 Q20.1 Q23.1 Q24.3 Q24#2.3 R72.1 R72#2.1 U3.14 U4.14 U10.12 U11.12
/M1: J1.5 J1#2.5 R20.1 R20#2.1 U3.7 U4.7
/M2: J1.6 J1#2.6 R5.1 R39.1 U3.8 U4.8
/M3: J1.7 J1#2.7 R41#2.1 R57#2.1 U3.9 U4.9
/M4: J1.8 J1#2.8 R59#2.1 R87.1 U3.10 U4.10
Net-(Q1-G): Q1.2 Q1#2.2 R16.2 R76.2
Net-(Q2-G): Q2.2 Q2#2.2 R17.2 R80.2
Net-(Q3-G): Q3.2 Q3#2.2 R21#2.2 R81.2
Net-(Q4-G): Q4.2 Q4#2.2 R22.2 R82.2
Net-(Q5-G): Q5.2 Q5#2.2 R23.2 R83.2
Net-(Q6-G): Q6.2 Q6#2.2 R24.2 R55.2
Net-(Q7-G): Q7.2 Q7#2.2 R1.2 R77.2
Net-(Q8-G): Q8.2 Q8#2.2 R2.2 R56#2.2
Net-(Q9-G): Q9.2 Q9#2.2 R6.2 R60#2.2
Net-(Q10-G): Q10.2 Q10#2.2 R7.2 R61#2.2
Net-(Q11-G): Q11.2 Q11#2.2 R8.2 R62#2.2
Net-(Q12-G): Q12.2 Q12#2.2 R9.2 R63.2
Net-(Q13-G): Q13.2 Q13#2.2 R37.2 R78.2
Net-(Q14-G): Q14.2 Q14#2.2 R38#2.2 R74#2.2
Net-(Q15-G): Q15.2 Q15#2.2 R42#2.2 R75.2
Net-(Q16-G): Q16.2 Q16#2.2 R23#2.2 R43#2.2
Net-(Q17-G): Q17.2 Q17#2.2 R24#2.2 R44.2
Net-(Q18-G): Q18.2 Q18#2.2 R37#2.2 R45#2.2
Net-(Q19-G): Q19.2 Q19#2.2 R55#2.2 R79.2
Net-(Q20-G): Q20.2 Q20#2.2 R38.2 R56.2
Net-(Q21-G): Q21.2 Q21#2.2 R42.2 R60.2
Net-(Q22-G): Q22.2 Q22#2.2 R43.2 R61.2
Net-(Q23-G): Q23.2 Q23#2.2 R44#2.2 R62.2
Net-(Q24-G): Q24.2 Q24#2.2 R45.2 R63#2.2
Net-(U2-BOOT0): R19.1 R19#2.1 U2.1 U2#2.1
Net-(U2-NRST): C50.1 C50#2.1 R18.1 R18#2.1 U2.4 U2#2.4
Net-(U2-PA13): TP1.1 TP1#2.1 U2.21 U2#2.21
Net-(U2-PA14): TP4.1 TP4#2.1 U2.22 U2#2.22
Net-(U2-PB4): R20.2 R20#2.2 U2.25 U2#2.25
Net-(U3-VB1): C53.2 U3#2.20
Net-(U3-VB2): C32#2.2 U3#2.17
Net-(U3-VB3): C36.2 U3#2.14
Net-(U4-VB1): C53#2.2 U4#2.20
Net-(U4-VB2): C32.2 U4#2.17
Net-(U4-VB3): C36#2.2 U4#2.14
Net-(U5-BOOT0): R22#2.1 U5.1
Net-(U5-NRST): C52.1 R21.1 U5.4
Net-(U5-PA13): TP2#2.1 U5.21
Net-(U5-PA14): TP5#2.1 U5.22
Net-(U5-PB4): R39.2 U5.25
Net-(U6-BOOT0): R4.1 U6#2.1
Net-(U6-NRST): C46.1 R3.1 U6#2.4
Net-(U6-PA13): TP2.1 U6#2.21
Net-(U6-PA14): TP3.1 U6#2.22
Net-(U6-PB4): R5.2 U6#2.25
Net-(U6-VB1): C56.2 U6.20
Net-(U6-VB2): C33#2.2 U6.17
Net-(U6-VB3): C37.2 U6.14
Net-(U7-BOOT0): R41.1 U7#2.1
Net-(U7-NRST): C59#2.1 R40.1 U7#2.4
Net-(U7-PA13): TP3#2.1 U7#2.21
Net-(U7-PA14): TP6.1 U7#2.22
Net-(U7-PB4): R57#2.2 U7#2.25
Net-(U7-VB1): C59.2 U7.20
Net-(U7-VB2): C33.2 U7.17
Net-(U7-VB3): C37#2.2 U7.14
Net-(U8-BOOT0): R40#2.1 U8#2.1
Net-(U8-NRST): C66.1 R39#2.1 U8#2.4
Net-(U8-PA13): TP5.1 U8#2.21
Net-(U8-PA14): TP6#2.1 U8#2.22
Net-(U8-PB4): R41#2.2 U8#2.25
Net-(U8-VB1): C62.2 U8.20
Net-(U8-VB2): C34.2 U8.17
Net-(U8-VB3): C38.2 U8.14
Net-(U9-BOOT0): R59.1 U9#2.1
Net-(U9-NRST): C64#2.1 R58#2.1 U9#2.4
Net-(U9-PA13): TP7.1 U9#2.21
Net-(U9-PA14): TP8.1 U9#2.22
Net-(U9-PB4): R87.2 U9#2.25
Net-(U9-VB1): C73.2 U9.20
Net-(U9-VB2): C34#2.2 U9.17
Net-(U9-VB3): C38#2.2 U9.14
Net-(U10-BOOT0): R58.1 U10#2.1
Net-(U10-NRST): C80#2.1 R57.1 U10#2.4
Net-(U10-PA13): TP7#2.1 U10#2.21
Net-(U10-PA14): TP8#2.1 U10#2.22
Net-(U10-PB4): R59#2.2 U10#2.25
Net-(U10-VB1): C67.2 U10.20
Net-(U10-VB2): C35.2 U10.17
Net-(U10-VB3): C39#2.2 U10.14
Net-(U11-VB1): C83#2.2 U11.20
Net-(U11-VB2): C35#2.2 U11.17
Net-(U11-VB3): C39.2 U11.14
Net-(U12-OUT): R73.2 R73#2.2 U12.6 U12#2.6
Net-(U13-CB): C72#2.2 C75.2 U13.1 U13#2.1
Net-(U13-FB): R118.1 R119.2 R120.2 R121.1 U13.3 U13#2.3
Net-(U13-SW): C72#2.1 C75.1 U5#2.1 U13.6 U13#2.6 U14.1

Pads without a net: J1 4; J1#2 4; U2 2 3 8 9 24 26 27 28; U2#2 2 3 9 12 26 27 28; U3 6; U3#2 5 7 21; U4 6; U4#2 5 7 8 21; U5 2 3 9 12 26 27 28; U6 8 21; U6#2 2 3 8 9 12 26 27 28; U7 5 8 21; U7#2 2 3 9 12 26 27 28; U8 5 7 8 21; U8#2 2 3 8 9 12 23 24 26 27; U9 5 7 8 21; U9#2 2 3 8 9 12 26 27 28; U10 21; U10#2 2 3 8 9 12 23 24 26 27 28; U11 5 8 21

## Via types
v1: diameter 0.45, hole 0.3, Top to Bottom, 1192 vias
v2: diameter 0.35, hole 0.2, Top to Bottom, 842 vias
v3: diameter 0.5, hole 0.3, Top to Bottom, 570 vias

## Routing (per net, layer and track width the routed paths; a pad name or vN(x,y) marks a point on that pad's centre or on a via; arc(x,y) is an arc through that point)
+3V3: length 173.5
  In2.Cu w0.4: v2(29.4,22.03) 26.25,22.03 26.17,21.95 ; 26.17,21.95 26.17,17.99 21.31,13.12 v2(21.31,12.52) ; 26.17,21.95 26.17,22.08 24.37,23.88 22.33,23.88 22.33,24.16 22.02,24.47 21.58,24.47 21.26,24.16 21.26,23.96 20.86,23.96 20.82,23.93 v2(20.55,24.2) ; v2(21.31,12.1) v2(21.31,12.52) ; v2(21.31,12.52) 21.31,12.75 17.04,17.02 v2(17.04,19.72) ; v2(21.31,12.52) 21.15,12.69 15.16,12.69 14.43,11.96 v2(14.37,11.96) ; v2(21.31,12.52) 24.67,12.52 25.41,11.78 25.85,11.78 26.16,12.1 26.16,12.2 v2(26.2,12.24)
  In2.Cu w0.8: v1(16.41,50.62) 16.03,50.62 15.42,51.23 15.42,51.89 15.88,52.34 ; 24.08,55.99 24.08,56.64 23.34,57.38 v1(20.31,57.38) ; 24.08,55.99 20.44,52.34 15.88,52.34 ; 24.08,55.99 24.08,57.01 25.34,58.26 ; v1(20.31,57.38) 17.72,57.38 15.81,59.29 ; v1(20.31,57.38) 21.29,58.36 v1(21.29,58.49) 21.51,58.26 25.34,58.26 ; v1(20.24,67.04) 20.87,67.04 21.34,67.51 v1(21.34,67.7) 21.34,67.57 21.82,67.1 v1(25.93,67.1) 25.44,66.61 25.44,61.7 26.9,60.24 26.9,59.14 v1(26.02,58.26) 25.34,58.26 ; 15.88,52.34 14.65,53.58 12.82,53.58 12.08,54.31 v1(11.69,54.31)
  In3.Cu w0.8: v1(20.24,67.04) 19.48,66.28 v1(15.44,66.28)
  Bottom w0.16: U2.17 12.9,17.6 C49.1
  Bottom w0.2: v1(11.69,54.31) 11.67,54.29 11.45,54.29 11.11,53.95 10.48,53.95 C4.2 ; R39#2.2 R76#2.2 ; v1(25.93,67.1) 25.93,68.08 26.26,68.4 U5.17 ; v1(25.93,67.1) 25.68,66.84 25.68,65.37 25.73,65.32 ; v1(25.93,67.1) 25.92,67.1 ; v2(29.4,22.03) 29.42,22.05 C65.1 28.63,22.05 U8#2.17 ; 15.86,69.25 15.91,69.2 15.91,67.73 15.66,67.48 15.66,66.5 15.33,66.18 U9#2.17 ; 25.87,58.05 25.62,57.79 25.62,56.32 25.67,56.27 ; 25.87,58.05 25.87,58.11 v1(26.02,58.26) ; 25.87,58.05 25.87,59.03 26.2,59.35 U2#2.17 ; R88.2 20.23,67.03 R58#2.2 v1(20.24,67.04) ; R75#2.2 18.44,10 R3.2 ; R74.2 18.41,17.68 R18.2 ; v2(14.37,11.96) 14.37,11.88 13.66,11.16 13.66,9.95 13.25,9.55 U6#2.17 11.95,9.55 C45#2.1 12.08,9.63 12.14,9.58 ; v1(16.41,50.62) 17.08,49.95 U12.3 ; v1(21.34,67.7) 21.34,67.54 R21.2 ; U7#2.17 15.4,56.52 15.73,56.85 15.73,57.83 15.98,58.08 15.98,59.55 15.93,59.6 ; U10#2.17 29.55,13.92 C79#2.1
  Bottom w0.25: v2(22.58,23.91) 22.58,22.49 23.1,21.97 R76#2.2 ; U2.17 13.4,17.64 13.72,17.95 13.72,19.02 14.02,19.33 14.02,20.28 14.22,20.48 16.28,20.48 v2(17.04,19.72) ; R74.2 18.65,17.68 18.94,17.39 18.94,12.39 20.02,11.31 ; 20.02,11.31 19.91,11.31 19.32,10.72 R3.2 ; 20.02,11.31 20.69,11.31 C1.2 v2(21.31,12.52) ; v2(26.2,12.24) 27.47,12.24 27.96,12.73 27.96,13.61 28.28,13.92 U10#2.17 ; C93#2.1 U12#2.3 20.11,25.63 20.54,25.2 20.54,24.2 v2(20.55,24.2)
  Bottom w0.4: U12.3 18.23,49.95 C93.1 ; R57.2 23.15,13.84 R77#2.2 23.12,13.81 21.46,13.81 U1.1 ; U1.1 21.31,13.76 C1.2 ; U1.1 U1.2 ; v1(20.31,57.38) 20.3,57.37 R86.2 ; R88.2 20.23,67.03 v1(20.24,67.04) ; v1(21.29,58.49) 21.3,58.5 R84.2 ; U15.2 U15.1 11.16,51.64 10.17,51.64 9.79,52.03 C4.2 9.79,53.38 10.55,54.14 C81.1 ; v1(15.89,59.37) 15.87,59.4 C61.1 ; R85.2 21.36,67.72 v1(21.34,67.7)
